# KiCad board FPGA_dev_board.kicad_pcb (continued)
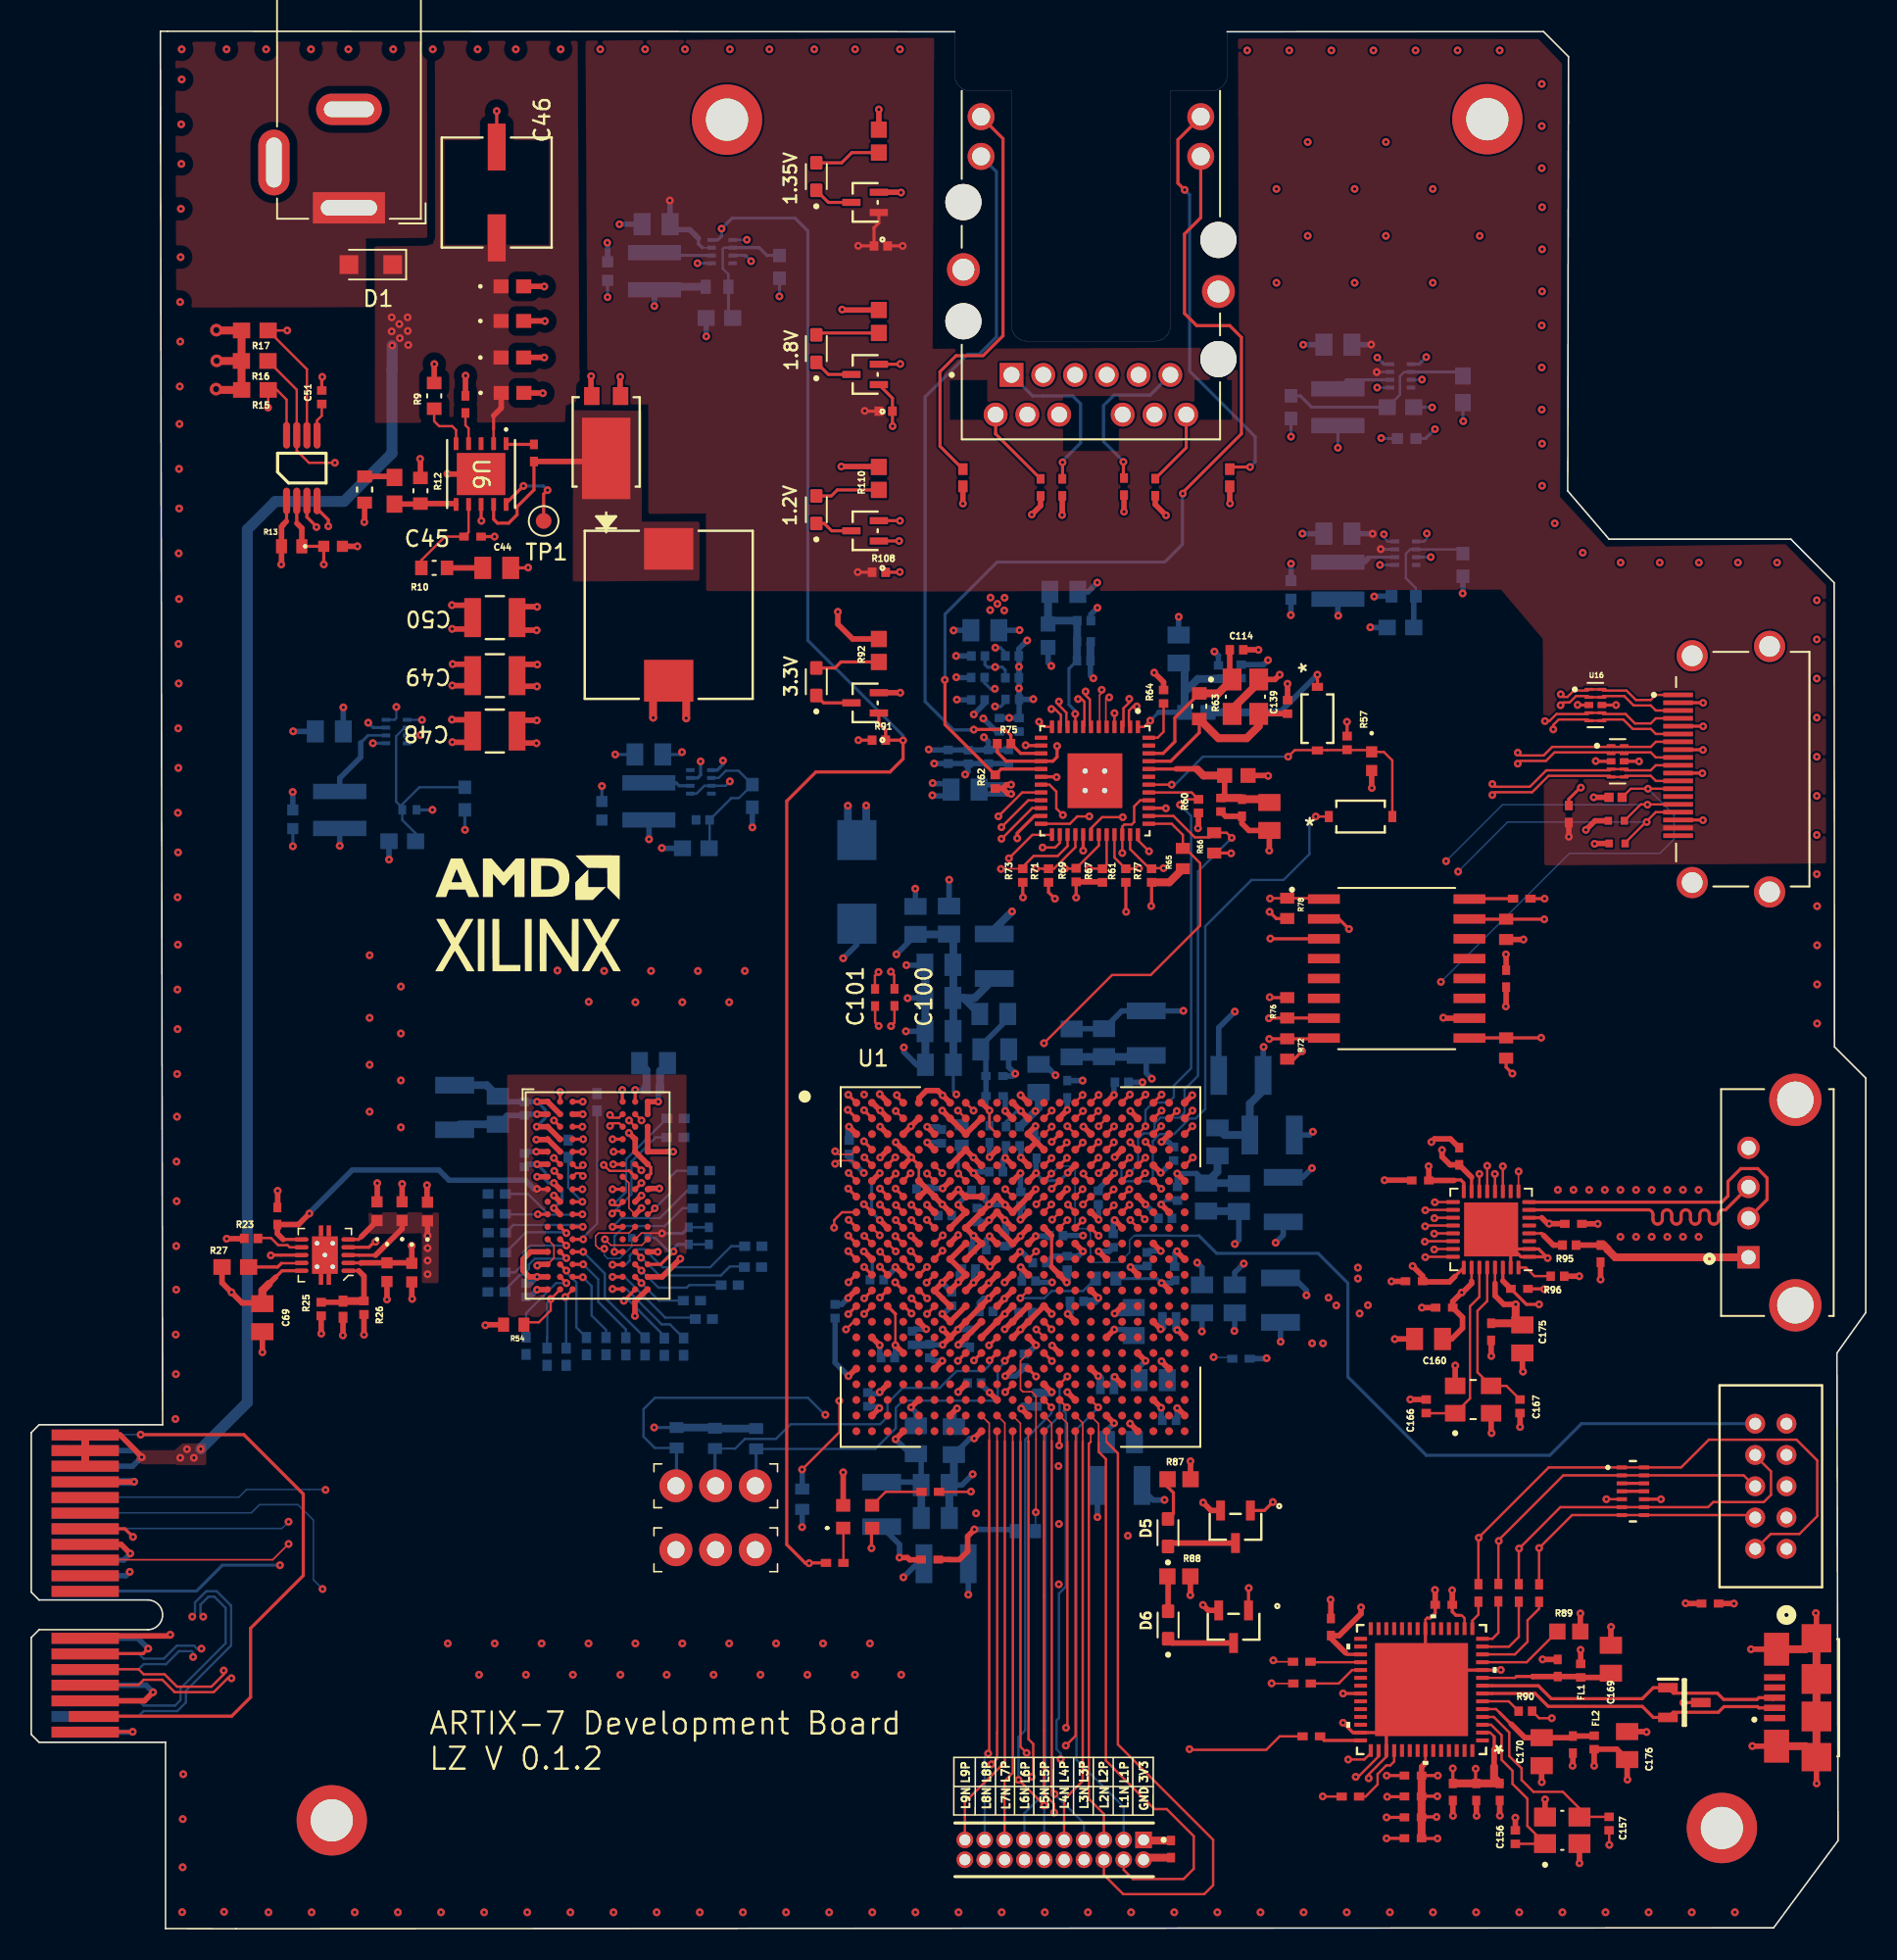
[diagram p0: board, top side]
## Placement (name value [footprint] x y rotation side) (continued)
U6  TPS54561DPRR  [WSON10_DPR_TEX]  28.77 93.01 270 top
U7  TPS62823DLCT  [DLC0008A]  23.36 76.55 180 bottom
U8  TPS62823DLCT  [DLC0008A]  87.57 99.28 180 bottom
U9  AS4C256M16D3  [BGA-96_9.0x13.0mm_Layout2x3x16_P0.8mm]  36.22 46.88 0 top
U10  TPS51200DRCR  [VSON-10-1EP_3x3mm]  18.78 43.07 90 top
U11  KSZ9031RNXCA  [QFN50P700X700X90-49N]  68.03 73.4 270 top
U12  FT4232H-56Q-TRAY  [VQFN56_FTD]  88.92 15.29 180 top
U13  USB3300-EZK  [QFN-32-1EP_5x5mm_P0.5mm_EP3.45x3.45mm]  93.37 44.71 180 top
U14  SP3011-06UTG  [SON14_SP3011-06UTG_LTF]  102.44 27.97 0 top
U15  TPD4E05U06DQAR  [IC_TPD4E05U06DQAR]  101.46 74.64 0 top
U16  TPD4E05U06DQAR  [IC_TPD4E05U06DQAR]  100.04 78.24 0 top
Y1  ABM8G-27.000MHZ-18-D2Y-T  [XTAL_ABM8G-27.000MHZ-18-D2Y-T]  77.66 78.78 0 top
Y2  ABM8G-12.000MHZ-18-D2Y-T  [XTAL_ABM8G-12.000MHZ-18-D2Y-T]  97.92 6.29 90 top
Y3  ABM8-24.000MHZ-B2-T  [XTAL_ABM8-24.000MHZ-B2-T]  92.22 33.84 90 top
Y4  ECS-2520MV-130-BN-TR  [ECS2520MV130BNTR]  52.86 26.34 0 top

## Library data of the parts
C1-C45 C47-C70 C72-C193 = -: Description: Unpolarized capacitor
C46 = -: Description: Polarized capacitor
D1 = -: Description: 30V, 2A low Vf MEGA Schottky barrier rectifier, SOD-123W
D2 D5-D9 = -: MANUFACTURER: Avago Technologies; MAXIMUM_PACKAGE_HEIGHT: 0.7 mm; PARTREV: N/A; STANDARD: IPC 7351B
D3 D4 = -: Description: 100V 0.15A standard switching diode, DO-35; Sim.Device: D; Sim.Pins: 1=K 2=A
FB1-FB3 = -: Description: FERRITE BEAD 120 OHM 0603 1LN; Category: Filters; DK_Datasheet_Link: https://www.murata.com/en-us/products/productdata/8796738650142/ENFA0003.pdf; DK_Detail_Page: /product-detail/en/murata-electronics-north-america/BLM18PG121SN1D/490-1037-1-ND/584485; Digi-Key_PN: 490-1037-1-ND; Family: Ferrite Beads and Chips; Manufacturer: Murata Electronics North America; Status: Active
FL1 FL2 = -: Description: 600 Ohms @ 100 MHz 1 - Ferrite Bead 0402 (1005 Metric) 300mA 520mOhm; Availability: In Stock; Check_prices: https://www.snapeda.com/parts/BLM15AG601SN1D/Murata/view-part/?ref=eda; MF: Murata; Package: 1005 Taiyo Yuden; Price: None; Purchase-URL: https://www.snapeda.com/api/url_track_click_mouser/?unipart_id=12274&manufacturer=Murata&part_name=BLM15AG601SN1D&search_term=None; SnapEDA_Link: https://www.snapeda.com/parts/BLM15AG601SN1D/Murata/view-part/?ref=snap
IC1 = -: Description: NOR Flash Serial-SPI 3V/3.3V 512M-bit 64M/32M/16M x 1/2-bit/4-bit 6ns Automotive 16-Pin SOP-II; Height: 2.65; Manufacturer_Name: Micron; Mouser Part Number: 340-285789-TRAY; Mouser Price/Stock: https://www.mouser.co.uk/ProductDetail/Micron/MT25QL512ABB8ESF-0AAT?qs=rrS6PyfT74da2PZ8DoLIJg%3D%3D
IC2 = -: Description: 2-Channel ESD Protection Array for High-Speed Data Interfaces; Height: 1.12; Manufacturer_Name: Texas Instruments; Mouser Part Number: 595-TPD2E009DBZR; Mouser Price/Stock: https://www.mouser.co.uk/ProductDetail/Texas-Instruments/TPD2E009DBZR?qs=XGzIaZb%2FFYIsL3UFh35JpQ%3D%3D
J1 = -: Description: Power Barrel Connector Jack 2.05mm ID (0.081), 5.50mm OD (0.217) Through Hole, Right Angle; Availability: In Stock; Check_prices: https://www.snapeda.com/parts/DCJ200-10-A-K1-K/Global+Connector+Technology/view-part/?ref=eda; MANUFACTURER: Global Connector Technology; MAXIMUM_PACKAGE_HEIGHT: 11 mm; MF: Global Connector Technology; MP: DCJ200-10-A-K1-K; PARTREV: A; Package: None; Price: None; SNAPEDA_PN: DCJ200-10-A-K1-K; STANDARD: Manufacturer Recommendations; SnapEDA_Link: https://www.snapeda.com/parts/DCJ200-10-A-K1-K/Global+Connector+Technology/view-part/?ref=snap
J2 = -: Description: PCI Express bus connector x1
J3 = -: Description: MagJack 1000BASE-T | 1X1 | G/G | Tab Down | Low Profile | RoHS; AVAILABILITY: Unavailable; Availability: In Stock; Check_prices: https://www.snapeda.com/parts/L834-1G1T-S7/Bel+Magnetic+Solutions/view-part/?ref=eda; DESCRIPTION: 1 Port RJ45 Magjack Connector Through Hole 10/100/1000 Base-T, AutoMDIX; DIGIKEY-PURCHASE-URL: https://snapeda.com/shop?store=DigiKey&id=4797102; MF: Bel Magnetic Solutions; PACKAGE: None; PRICE: None; Package: None; Price: None; Purchase-URL: https://www.snapeda.com/api/url_track_click_mouser/?unipart_id=104768&manufacturer=Bel Magnetic Solutions&part_name=L834-1G1T-S7&search_term=None; SnapEDA_Link: https://www.snapeda.com/parts/L834-1G1T-S7/Bel+Magnetic+Solutions/view-part/?ref=snap
J4 = -: MANUFACTURER: Amphenol; MAXIMUM_PACKAGE_HEIGHT: 2.8mm; PARTREV: B; STANDARD: Manufacturer Recommendations
J5 = -: MANUFACTURER: On Shore Technology; PARTREV: D; STANDARD: Manufacturer Recommendation
J7 = -: MANUFACTURER: Amphenol; MAXIMUM_PACKAGE_HEIGHT: 6.18mm; PARTREV: Y; STANDARD: Manufacturer Recommendations
J8 = -: Description: Connector Board Stacker Header 20 Position 2.54mm Stack Height 1.27mm Solder Straight Through Hole; Availability: In Stock; Check_prices: https://www.snapeda.com/parts/FW-10-04-G-D-100-065/Samtec/view-part/?ref=eda; MANUFACTURER: Samtec; MF: Samtec; PARTREV: R; Package: None; Price: None; STANDARD: Manufacturer Recommendations; SnapEDA_Link: https://www.snapeda.com/parts/FW-10-04-G-D-100-065/Samtec/view-part/?ref=snap
J9 J10 = -: Description: CONN HEADER VERT 3POS 2.54MM; Category: Connectors, Interconnects; DK_Datasheet_Link: https://www.te.com/commerce/DocumentDelivery/DDEController?Action=srchrtrv&DocNm=640456&DocType=Customer+Drawing&DocLang=English; DK_Detail_Page: /product-detail/en/te-connectivity-amp-connectors/640456-3/A19470-ND/259010; Digi-Key_PN: A19470-ND; Family: Rectangular Connectors - Headers, Male Pins; Manufacturer: TE Connectivity AMP Connectors; Status: Active
L1-L3 L5 L6 = -: Description: Inductor
R1-R6 R8-R20 R22-R53 R57-R86 R89 R90 R93-R107 = -: Description: Resistor
R7 R21 R91 R108 = -: Description: 10k resistor in 0402 package with 1% tolerance; Author: Antmicro; License: Apache-2.0; MPN: CR0402-FX-1002GLF; Manufacturer: Bourns; Tolerance: 1%; Val: 10k
R54 = -: Description: 4k7 resistor in 0402 package with 1% tolerance; Author: Antmicro; License: Apache-2.0; MPN: CR0402-FX-4701GLF; Manufacturer: Bourns; Tolerance: 1%; Val: 4k7
R87 R88 R92 R110 R112 R113 = -: Description: 1k resistor in 0402 package with 1% tolerance; Author: Antmicro; License: Apache-2.0; MPN: CR0402-FX-1001GLF; Manufacturer: Bourns; Tolerance: 1%; Val: 1k
TP1 = -: Description: test point
U1 = -: Description: Artix 7 T 100 XC7A100T-FGG484
U9 = -: Description: 4Gb (256Mx16 bit) Double Data Rate 3 Synchronous DRAM
U10 = -: Description: IC REG CONV DDR 1OUT 10VSON; Category: Integrated Circuits (ICs); DK_Datasheet_Link: http://www.ti.com/general/docs/suppproductinfo.tsp?distId=10&gotoUrl=http%3A%2F%2Fwww.ti.com%2Flit%2Fgpn%2Ftps51200; DK_Detail_Page: /product-detail/en/texas-instruments/TPS51200DRCR/296-26978-1-ND/2255274; Digi-Key_PN: 296-26978-1-ND; Family: PMIC - Voltage Regulators - Special Purpose; Manufacturer: Texas Instruments; Status: Active; Field12: REF**
U11 = -: Description: 4/4 Transceiver Full Ethernet 48-QFN (7x7); Arrow_Electronics-Purchase-URL: https://snapeda.com/shop?store=Arrow+Electronics&id=1217103; Availability: In Stock; Check_prices: https://www.snapeda.com/parts/KSZ9031RNXCA/Microchip/view-part/?ref=eda; DigiKey-Purchase-URL: https://snapeda.com/shop?store=DigiKey&id=1217103; MF: Microchip; Mouser-Purchase-URL: https://snapeda.com/shop?store=Mouser&id=1217103; Package: QFN-48 Microchip; Price: None; Purchase-URL: https://www.snapeda.com/api/url_track_click_mouser/?unipart_id=289971&manufacturer=Microchip&part_name=KSZ9031RNXCA&search_term=None; SnapEDA_Link: https://www.snapeda.com/parts/KSZ9031RNXCA/Microchip/view-part/?ref=snap
U13 = -: Description: Hi-Speed USB Host, Device or OTG PHY with ULPI Interface
U15 U16 = -: Description: Quad 0.5-pF, 5.5-V, ±12-kV ESD protection diode for USB, HDMI & High Speed Interfaces; Availability: In Stock; Check_prices: https://www.snapeda.com/parts/TPD4E05U06DQAR/Texas+Instruments/view-part/?ref=eda; MANUFACTURER: Texas Instruments; MAXIMUM_PACKAGE_HEIGHT: 0.55 mm; MF: Texas Instruments; PARTREV: N; Package: USON-10 Texas Instruments; Price: None; Purchase-URL: https://www.snapeda.com/api/url_track_click_mouser/?unipart_id=431231&manufacturer=Texas Instruments&part_name=TPD4E05U06DQAR&search_term=None; STANDARD: Manufacturer Recommendations; SnapEDA_Link: https://www.snapeda.com/parts/TPD4E05U06DQAR/Texas+Instruments/view-part/?ref=snap
Y1 = -: Description: 27 MHz ±20ppm Crystal 18pF 60 Ohms 4-SMD, No Lead; Availability: In Stock; Check_prices: https://www.snapeda.com/parts/ABM8G-27.000MHZ-18-D2Y-T/Abracon+LLC/view-part/?ref=eda; MANUFACTURER: Abracon; MAXIMUM_PACKAGE_HEIGHT: 1.0 mm; MF: Abracon; PARTREV: 08.13.15; Package: SMD-4 Abracon; Price: None; STANDARD: Manufacturer Recommendations; SnapEDA_Link: https://www.snapeda.com/parts/ABM8G-27.000MHZ-18-D2Y-T/Abracon+LLC/view-part/?ref=snap
Y2 = -: Description: 12 MHz ±20ppm Crystal 18pF 120 Ohms 4-SMD, No Lead; Availability: In Stock; Check_prices: https://www.snapeda.com/parts/ABM8G-12.000MHZ-18-D2Y-T/Abracon+LLC/view-part/?ref=eda; MANUFACTURER: Abracon; MAXIMUM_PACKAGE_HEIGHT: 1.0 mm; MF: Abracon; PARTREV: 08.13.15; Package: SMD-4 Abracon; Price: None; Purchase-URL: https://www.snapeda.com/api/url_track_click_mouser/?unipart_id=419259&manufacturer=Abracon&part_name=ABM8G-12.000MHZ-18-D2Y-T&search_term=None; STANDARD: Manufacturer Recommendations; SnapEDA_Link: https://www.snapeda.com/parts/ABM8G-12.000MHZ-18-D2Y-T/Abracon+LLC/view-part/?ref=snap
Y3 = -: Description: 24 MHz ±20ppm Crystal 18pF 50 Ohms 4-SMD, No Lead; Availability: In Stock; Check_prices: https://www.snapeda.com/parts/ABM8-24.000MHZ-B2-T/Abracon+LLC/view-part/?ref=eda; MANUFACTURER: Abracon; MAXIMUM_PACKAGE_HEIGHT: 0.8 mm; MF: Abracon; PARTREV: 44041; Package: NON-STANDARD-4 ABRACON; Price: None; Purchase-URL: https://www.snapeda.com/api/url_track_click_mouser/?unipart_id=386743&manufacturer=Abracon&part_name=ABM8-24.000MHZ-B2-T&search_term=None; STANDARD: Manufacturer Recommendations; SnapEDA_Link: https://www.snapeda.com/parts/ABM8-24.000MHZ-B2-T/Abracon+LLC/view-part/?ref=snap
Y4 = -: Description: Standard Clock Oscillators XO (Standard),13MHz,Standby (Power Down),CMOS, Multi-Volt,1.6 V 3.6 V,+/-50ppm,-40 C 85 C,6mA,Surface Mount,4-SMD, No Lead,(2.50mm x 2.00mm),(0.80mm); Height: 0.9; Manufacturer_Name: ECS; Mouser Part Number: 520-S2520MV130BNTR; Mouser Price/Stock: https://www.mouser.co.uk/ProductDetail/ECS/ECS-2520MV-130-BN-TR?qs=zW32dvEIR3txl7djIFQDkw%3D%3D

## Footprints (pads in the part's own frame, mm; a bottom-side part is the same pattern mirrored in y, then rotated)
0603
  rect 1.1x1 smd: 1(-0.85,0) 2(0.85,0)
87831-1020_MOL
  round 1.27 hole 0.762: 1(0,0) 2(2,0) 3(4,0) 4(6,0) 5(8,0) 6(0,2) 7(2,2) 8(4,2) 9(6,2) 10(8,2)
AMPHENOL_10029449-111RLF
  rect 0.3x1.9 smd: 1(4.75,5.85) 2(4.25,5.85) 3(3.75,5.85) 4(3.25,5.85) 5(2.75,5.85) 6(2.25,5.85) 7(1.75,5.85) 8(1.25,5.85) 9(0.75,5.85) 10(0.25,5.85) 11(-0.25,5.85) 12(-0.75,5.85) 13(-1.25,5.85) 14(-1.75,5.85) 15(-2.25,5.85) 16(-2.75,5.85) 17(-3.25,5.85) 18(-3.75,5.85) 19(-4.25,5.85)
  round 1.995 hole 1.33: S1(-7.25,4.95) S2(7.25,4.95) S3(-7.85,0) S4(7.85,0)
AMPHENOL_10118192-0002LF
  rect 0.4x1.35 smd: 1(-1.3,0) 2(-0.65,0) 3(0,0) 4(0.65,0) 5(1.3,0)
  rect 2.1x1.6 smd: S1(-3.1,-0.125) S2(3.1,-0.125)
  rect 1.8x1.9 smd: S3(-3.8,-2.675) S6(3.8,-2.675)
  rect 1.9x1.9 smd: S4(-1.2,-2.675) S5(1.2,-2.675)
BarrelJack_GCT_DCJ200-10-A_Horizontal
  rect 4.6x2 hole 3.6x1: 1(0,0)
  oval 4.2x2 hole 3.2x1: 2(0,-6.3)
  oval 2x4.2 hole 1x3.2: 3(4.8,-2.9)
BEADC1005X55N
  rect 0.54x0.6 smd: 1(-0.432,0) 2(0.432,0)
BEL_L834-1G1T-S7
  round 2.31 hole 2.31 unplated: (-8.155,5.72) (-8.155,-1.9) (8.155,3.3) (8.155,-4.318)
  rect 1.53x1.53 hole 1.02: 1(5.08,6.73)
  round 1.53 hole 1.02: 2(3.048,6.73) 3(1.016,6.73) 4(-1.016,6.73) 5(-3.048,6.73) 6(-5.08,6.73) 7(6.096,9.27) 8(4.064,9.27) 9(2.032,9.27) 10(-2.032,9.27) 11(-4.064,9.27) 12(-6.096,9.27)
  round 1.725 hole 1.15: 13(7.025,-7.24) 14(7.025,-9.78) 15(-7.025,-7.24) 16(-7.025,-9.78)
  round 2.1 hole 1.4: S1(-8.155,1.4) S2(8.155,0)
BGA484C100P22X22_2300X2300X260N
  round 0.5 smd: A1(-10.5,10.5) A2(-9.5,10.5) A3(-8.5,10.5) A4(-7.5,10.5) A5(-6.5,10.5) A6(-5.5,10.5) A7(-4.5,10.5) A8(-3.5,10.5) A9(-2.5,10.5) A10(-1.5,10.5) A11(-0.5,10.5) A12(0.5,10.5) A13(1.5,10.5) A14(2.5,10.5) A15(3.5,10.5) A16(4.5,10.5) A17(5.5,10.5) A18(6.5,10.5) A19(7.5,10.5) A20(8.5,10.5) A21(9.5,10.5) A22(10.5,10.5) AA1(-10.5,-9.5) AA2(-9.5,-9.5) AA3(-8.5,-9.5) AA4(-7.5,-9.5) AA5(-6.5,-9.5) AA6(-5.5,-9.5) AA7(-4.5,-9.5) AA8(-3.5,-9.5) AA9(-2.5,-9.5) AA10(-1.5,-9.5) AA11(-0.5,-9.5) AA12(0.5,-9.5) AA13(1.5,-9.5) AA14(2.5,-9.5) AA15(3.5,-9.5) AA16(4.5,-9.5) AA17(5.5,-9.5) AA18(6.5,-9.5) AA19(7.5,-9.5) AA20(8.5,-9.5) AA21(9.5,-9.5) AA22(10.5,-9.5) AB1(-10.5,-10.5) AB2(-9.5,-10.5) AB3(-8.5,-10.5) AB4(-7.5,-10.5) AB5(-6.5,-10.5) AB6(-5.5,-10.5) AB7(-4.5,-10.5) AB8(-3.5,-10.5) AB9(-2.5,-10.5) AB10(-1.5,-10.5) AB11(-0.5,-10.5) AB12(0.5,-10.5) AB13(1.5,-10.5) AB14(2.5,-10.5) AB15(3.5,-10.5) AB16(4.5,-10.5) AB17(5.5,-10.5) AB18(6.5,-10.5) AB19(7.5,-10.5) AB20(8.5,-10.5) AB21(9.5,-10.5) AB22(10.5,-10.5) B1(-10.5,9.5) B2(-9.5,9.5) B3(-8.5,9.5) B4(-7.5,9.5) B5(-6.5,9.5) B6(-5.5,9.5) B7(-4.5,9.5) B8(-3.5,9.5) B9(-2.5,9.5) B10(-1.5,9.5) B11(-0.5,9.5) B12(0.5,9.5) B13(1.5,9.5) B14(2.5,9.5) B15(3.5,9.5) B16(4.5,9.5) B17(5.5,9.5) B18(6.5,9.5) B19(7.5,9.5) B20(8.5,9.5) B21(9.5,9.5) B22(10.5,9.5) C1(-10.5,8.5) C2(-9.5,8.5) C3(-8.5,8.5) C4(-7.5,8.5) C5(-6.5,8.5) C6(-5.5,8.5) C7(-4.5,8.5) C8(-3.5,8.5) C9(-2.5,8.5) C10(-1.5,8.5) C11(-0.5,8.5) C12(0.5,8.5) C13(1.5,8.5) C14(2.5,8.5) C15(3.5,8.5) C16(4.5,8.5) C17(5.5,8.5) C18(6.5,8.5) C19(7.5,8.5) C20(8.5,8.5) C21(9.5,8.5) C22(10.5,8.5) D1(-10.5,7.5) D2(-9.5,7.5) D3(-8.5,7.5) D4(-7.5,7.5) D5(-6.5,7.5) D6(-5.5,7.5) D7(-4.5,7.5) D8(-3.5,7.5) D9(-2.5,7.5) D10(-1.5,7.5) D11(-0.5,7.5) D12(0.5,7.5) D13(1.5,7.5) D14(2.5,7.5) D15(3.5,7.5) D16(4.5,7.5) D17(5.5,7.5) D18(6.5,7.5) D19(7.5,7.5) D20(8.5,7.5) D21(9.5,7.5) D22(10.5,7.5) E1(-10.5,6.5) E2(-9.5,6.5) E3(-8.5,6.5) E4(-7.5,6.5) E5(-6.5,6.5) E6(-5.5,6.5) E7(-4.5,6.5) E8(-3.5,6.5) E9(-2.5,6.5) E10(-1.5,6.5) E11(-0.5,6.5) E12(0.5,6.5) E13(1.5,6.5) E14(2.5,6.5) E15(3.5,6.5) E16(4.5,6.5) E17(5.5,6.5) E18(6.5,6.5) E19(7.5,6.5) E20(8.5,6.5) E21(9.5,6.5) E22(10.5,6.5) F1(-10.5,5.5) F2(-9.5,5.5) F3(-8.5,5.5) F4(-7.5,5.5) F5(-6.5,5.5) F6(-5.5,5.5) F7(-4.5,5.5) F8(-3.5,5.5) F9(-2.5,5.5) F10(-1.5,5.5) F11(-0.5,5.5) F12(0.5,5.5) F13(1.5,5.5) F14(2.5,5.5) F15(3.5,5.5) F16(4.5,5.5) F17(5.5,5.5) F18(6.5,5.5) F19(7.5,5.5) F20(8.5,5.5) F21(9.5,5.5) F22(10.5,5.5) G1(-10.5,4.5) G2(-9.5,4.5) G3(-8.5,4.5) G4(-7.5,4.5) G5(-6.5,4.5) G6(-5.5,4.5) G7(-4.5,4.5) G8(-3.5,4.5) G9(-2.5,4.5) G10(-1.5,4.5) G11(-0.5,4.5) G12(0.5,4.5) G13(1.5,4.5) G14(2.5,4.5) G15(3.5,4.5) G16(4.5,4.5) G17(5.5,4.5) G18(6.5,4.5) G19(7.5,4.5) G20(8.5,4.5) G21(9.5,4.5) G22(10.5,4.5) H1(-10.5,3.5) H2(-9.5,3.5) H3(-8.5,3.5) H4(-7.5,3.5) H5(-6.5,3.5) H6(-5.5,3.5) H7(-4.5,3.5) H8(-3.5,3.5) H9(-2.5,3.5) H10(-1.5,3.5) H11(-0.5,3.5) H12(0.5,3.5) H13(1.5,3.5) H14(2.5,3.5) H15(3.5,3.5) H16(4.5,3.5) H17(5.5,3.5) H18(6.5,3.5) H19(7.5,3.5) H20(8.5,3.5) H21(9.5,3.5) H22(10.5,3.5) J1(-10.5,2.5) J2(-9.5,2.5) J3(-8.5,2.5) J4(-7.5,2.5) J5(-6.5,2.5) J6(-5.5,2.5) J7(-4.5,2.5) J8(-3.5,2.5) J9(-2.5,2.5) J10(-1.5,2.5) J11(-0.5,2.5) J12(0.5,2.5) J13(1.5,2.5) J14(2.5,2.5) J15(3.5,2.5) J16(4.5,2.5) J17(5.5,2.5) J18(6.5,2.5) J19(7.5,2.5) J20(8.5,2.5) J21(9.5,2.5) J22(10.5,2.5) K1(-10.5,1.5) K2(-9.5,1.5) K3(-8.5,1.5) K4(-7.5,1.5) K5(-6.5,1.5) K6(-5.5,1.5) K7(-4.5,1.5) K8(-3.5,1.5) K9(-2.5,1.5) K10(-1.5,1.5) K11(-0.5,1.5) K12(0.5,1.5) K13(1.5,1.5) K14(2.5,1.5) K15(3.5,1.5) K16(4.5,1.5) K17(5.5,1.5) K18(6.5,1.5) K19(7.5,1.5) K20(8.5,1.5) K21(9.5,1.5) K22(10.5,1.5) L1(-10.5,0.5) L2(-9.5,0.5) L3(-8.5,0.5) L4(-7.5,0.5) L5(-6.5,0.5) L6(-5.5,0.5) L7(-4.5,0.5) L8(-3.5,0.5) L9(-2.5,0.5) L10(-1.5,0.5) L11(-0.5,0.5) L12(0.5,0.5) L13(1.5,0.5) L14(2.5,0.5) L15(3.5,0.5) L16(4.5,0.5) L17(5.5,0.5) L18(6.5,0.5) L19(7.5,0.5) L20(8.5,0.5) L21(9.5,0.5) L22(10.5,0.5) M1(-10.5,-0.5) M2(-9.5,-0.5) M3(-8.5,-0.5) M4(-7.5,-0.5) M5(-6.5,-0.5) M6(-5.5,-0.5) M7(-4.5,-0.5) M8(-3.5,-0.5) M9(-2.5,-0.5) M10(-1.5,-0.5) M11(-0.5,-0.5) M12(0.5,-0.5) M13(1.5,-0.5) M14(2.5,-0.5) M15(3.5,-0.5) M16(4.5,-0.5) M17(5.5,-0.5) M18(6.5,-0.5) M19(7.5,-0.5) M20(8.5,-0.5) M21(9.5,-0.5) M22(10.5,-0.5) N1(-10.5,-1.5) N2(-9.5,-1.5) N3(-8.5,-1.5) N4(-7.5,-1.5) N5(-6.5,-1.5) N6(-5.5,-1.5) N7(-4.5,-1.5) N8(-3.5,-1.5) N9(-2.5,-1.5) N10(-1.5,-1.5) N11(-0.5,-1.5) N12(0.5,-1.5) N13(1.5,-1.5) N14(2.5,-1.5) N15(3.5,-1.5) N16(4.5,-1.5) N17(5.5,-1.5) N18(6.5,-1.5) N19(7.5,-1.5) N20(8.5,-1.5) N21(9.5,-1.5) N22(10.5,-1.5) P1(-10.5,-2.5) P2(-9.5,-2.5) P3(-8.5,-2.5) P4(-7.5,-2.5) P5(-6.5,-2.5) P6(-5.5,-2.5) P7(-4.5,-2.5) P8(-3.5,-2.5) P9(-2.5,-2.5) P10(-1.5,-2.5) P11(-0.5,-2.5) P12(0.5,-2.5) P13(1.5,-2.5) P14(2.5,-2.5) P15(3.5,-2.5) P16(4.5,-2.5) P17(5.5,-2.5) P18(6.5,-2.5) P19(7.5,-2.5) P20(8.5,-2.5) P21(9.5,-2.5) P22(10.5,-2.5) R1(-10.5,-3.5) R2(-9.5,-3.5) R3(-8.5,-3.5) R4(-7.5,-3.5) R5(-6.5,-3.5) R6(-5.5,-3.5) R7(-4.5,-3.5) R8(-3.5,-3.5) R9(-2.5,-3.5) R10(-1.5,-3.5) R11(-0.5,-3.5) R12(0.5,-3.5) R13(1.5,-3.5) R14(2.5,-3.5) R15(3.5,-3.5) R16(4.5,-3.5) R17(5.5,-3.5) R18(6.5,-3.5) R19(7.5,-3.5) R20(8.5,-3.5) R21(9.5,-3.5) R22(10.5,-3.5) T1(-10.5,-4.5) T2(-9.5,-4.5) T3(-8.5,-4.5) T4(-7.5,-4.5) T5(-6.5,-4.5) T6(-5.5,-4.5) T7(-4.5,-4.5) T8(-3.5,-4.5) T9(-2.5,-4.5) T10(-1.5,-4.5) T11(-0.5,-4.5) T12(0.5,-4.5) T13(1.5,-4.5) T14(2.5,-4.5) T15(3.5,-4.5) T16(4.5,-4.5) T17(5.5,-4.5) T18(6.5,-4.5) T19(7.5,-4.5) T20(8.5,-4.5) T21(9.5,-4.5) T22(10.5,-4.5) U1(-10.5,-5.5) U2(-9.5,-5.5) U3(-8.5,-5.5) U4(-7.5,-5.5) U5(-6.5,-5.5) U6(-5.5,-5.5) U7(-4.5,-5.5) U8(-3.5,-5.5) U9(-2.5,-5.5) U10(-1.5,-5.5) U11(-0.5,-5.5) U12(0.5,-5.5) U13(1.5,-5.5) U14(2.5,-5.5) U15(3.5,-5.5) U16(4.5,-5.5) U17(5.5,-5.5) U18(6.5,-5.5) U19(7.5,-5.5) U20(8.5,-5.5) U21(9.5,-5.5) U22(10.5,-5.5) V1(-10.5,-6.5) V2(-9.5,-6.5) V3(-8.5,-6.5) V4(-7.5,-6.5) V5(-6.5,-6.5) V6(-5.5,-6.5) V7(-4.5,-6.5) V8(-3.5,-6.5) V9(-2.5,-6.5) V10(-1.5,-6.5) V11(-0.5,-6.5) V12(0.5,-6.5) V13(1.5,-6.5) V14(2.5,-6.5) V15(3.5,-6.5) V16(4.5,-6.5) V17(5.5,-6.5) V18(6.5,-6.5) V19(7.5,-6.5) V20(8.5,-6.5) V21(9.5,-6.5) V22(10.5,-6.5) W1(-10.5,-7.5) W2(-9.5,-7.5) W3(-8.5,-7.5) W4(-7.5,-7.5) W5(-6.5,-7.5) W6(-5.5,-7.5) W7(-4.5,-7.5) W8(-3.5,-7.5) W9(-2.5,-7.5) W10(-1.5,-7.5) W11(-0.5,-7.5) W12(0.5,-7.5) W13(1.5,-7.5) W14(2.5,-7.5) W15(3.5,-7.5) W16(4.5,-7.5) W17(5.5,-7.5) W18(6.5,-7.5) W19(7.5,-7.5) W20(8.5,-7.5) W21(9.5,-7.5) W22(10.5,-7.5) Y1(-10.5,-8.5) Y2(-9.5,-8.5) Y3(-8.5,-8.5) Y4(-7.5,-8.5) Y5(-6.5,-8.5) Y6(-5.5,-8.5) Y7(-4.5,-8.5) Y8(-3.5,-8.5) Y9(-2.5,-8.5) Y10(-1.5,-8.5) Y11(-0.5,-8.5) Y12(0.5,-8.5) Y13(1.5,-8.5) Y14(2.5,-8.5) Y15(3.5,-8.5) Y16(4.5,-8.5) Y17(5.5,-8.5) Y18(6.5,-8.5) Y19(7.5,-8.5) Y20(8.5,-8.5) Y21(9.5,-8.5) Y22(10.5,-8.5)
BGA-96_9.0x13.0mm_Layout2x3x16_P0.8mm
  round 0.4 smd: A1(-3.2,6) A2(-2.4,6) A3(-1.6,6) A7(1.6,6) A8(2.4,6) A9(3.2,6) B1(-3.2,5.2) B2(-2.4,5.2) B3(-1.6,5.2) B7(1.6,5.2) B8(2.4,5.2) B9(3.2,5.2) C1(-3.2,4.4) C2(-2.4,4.4) C3(-1.6,4.4) C7(1.6,4.4) C8(2.4,4.4) C9(3.2,4.4) D1(-3.2,3.6) D2(-2.4,3.6) D3(-1.6,3.6) D7(1.6,3.6) D8(2.4,3.6) D9(3.2,3.6) E1(-3.2,2.8) E2(-2.4,2.8) E3(-1.6,2.8) E7(1.6,2.8) E8(2.4,2.8) E9(3.2,2.8) F1(-3.2,2) F2(-2.4,2) F3(-1.6,2) F7(1.6,2) F8(2.4,2) F9(3.2,2) G1(-3.2,1.2) G2(-2.4,1.2) G3(-1.6,1.2) G7(1.6,1.2) G8(2.4,1.2) G9(3.2,1.2) H1(-3.2,0.4) H2(-2.4,0.4) H3(-1.6,0.4) H7(1.6,0.4) H8(2.4,0.4) H9(3.2,0.4) J1(-3.2,-0.4) J2(-2.4,-0.4) J3(-1.6,-0.4) J7(1.6,-0.4) J8(2.4,-0.4) J9(3.2,-0.4) K1(-3.2,-1.2) K2(-2.4,-1.2) K3(-1.6,-1.2) K7(1.6,-1.2) K8(2.4,-1.2) K9(3.2,-1.2) L1(-3.2,-2) L2(-2.4,-2) L3(-1.6,-2) L7(1.6,-2) L8(2.4,-2) L9(3.2,-2) M1(-3.2,-2.8) M2(-2.4,-2.8) M3(-1.6,-2.8) M7(1.6,-2.8) M8(2.4,-2.8) M9(3.2,-2.8) N1(-3.2,-3.6) N2(-2.4,-3.6) N3(-1.6,-3.6) N7(1.6,-3.6) N8(2.4,-3.6) N9(3.2,-3.6) P1(-3.2,-4.4) P2(-2.4,-4.4) P3(-1.6,-4.4) P7(1.6,-4.4) P8(2.4,-4.4) P9(3.2,-4.4) R1(-3.2,-5.2) R2(-2.4,-5.2) R3(-1.6,-5.2) R7(1.6,-5.2) R8(2.4,-5.2) R9(3.2,-5.2) T1(-3.2,-6) T2(-2.4,-6) T3(-1.6,-6) T7(1.6,-6) T8(2.4,-6) T9(3.2,-6)
BUS_PCIexpress_x1
  rect 0.7x3.2 smd far side: A1(0,0.55)
  rect 0.7x4.3 smd far side: A2(1,0) A3(2,0) A4(3,0) A5(4,0) A6(5,0) A7(6,0) A8(7,0) A9(8,0) A10(9,0) A11(10,0) A12(13,0) A13(14,0) A14(15,0) A15(16,0) A16(17,0) A17(18,0) A18(19,0)
  rect 0.7x4.3 smd: B1(0,0) B2(1,0) B3(2,0) B4(3,0) B5(4,0) B6(5,0) B7(6,0) B8(7,0) B9(8,0) B10(9,0) B11(10,0) B12(13,0) B13(14,0) B14(15,0) B15(16,0) B16(17,0) B18(19,0)
  rect 0.7x3.2 smd: B17(18,0.55)
CAP_6.3 X 5.8_PAN
  rect 2.997x1.143 smd: 1(-2.908,0) 2(2.908,0)
CAP_GRM155R60J106ME05D_MUR
  rect 0.711x0.711 smd: 1(-0.597,0) 2(0.597,0)
CAP_GRM_155_MUR
  rect 0.711x0.559 smd: 1(-0.521,0) 2(0.521,0)
cap_UMK107ABJ474KA-T_TAY
  rect 0.965x0.889 smd: 1(-0.724,0) 2(0.724,0)
CAPC1005X55N
  rect 0.54x0.6 smd: 1(-0.432,0) 2(0.432,0)
CAPC2012X140N
  rect 1.08x1.42 smd: 1(-0.895,0) 2(0.895,0)
CAPMP7.6X4.3_1.9N_KEM
  rect 2.56x2.5 smd: 1(-2.672,0) 2(2.672,0)
DGK0008A_N
  oval 1.7x0.45 smd: 1(-2.1,0.975) 2(-2.1,0.325) 3(-2.1,-0.325) 4(-2.1,-0.975) 5(2.1,-0.975) 6(2.1,-0.325) 7(2.1,0.325) 8(2.1,0.975)
DLC0008A
  rect 0.55x0.25 smd: 1(-0.675,0.75) 2(-0.675,0.25) 3(-0.675,-0.25) 4(-0.675,-0.75) 5(0.675,-0.75) 6(0.675,-0.25) 7(0.675,0.25) 8(0.675,0.75)
ECS2520MV130BNTR
  rect 0.9x0.8 smd: 1(-0.925,-0.725) 2(0.925,-0.725) 3(0.925,0.725) 4(-0.925,0.725)
G-32_MUR
  rect 1.067x2.489 smd: 1(-1.422,0) 2(1.422,0)
G-155_MUR
  rect 0.61x0.508 smd: 1(-0.546,0) 2(0.546,0)
G-188_MUR
  rect 0.864x0.813 smd: 1(-0.724,0) 2(0.724,0)
IC_TPD4E05U06DQAR
  rrect 0.565x0.2 smd: 1(-0.417,1) 2(-0.417,0.5) 4(-0.417,-0.5) 5(-0.417,-1) 6(0.417,-1) 7(0.417,-0.5) 9(0.417,0.5) 10(0.417,1)
  rrect 0.565x0.4 smd: 3(-0.417,0) 8(0.417,0)
IND_1064_WE-PDF_WRE
  rect 2.667x3.15 smd: 1(-4.216,0) 2(4.216,0)
IND_BLM18_0603_MUR
  rect 0.965x0.94 smd: 1(-0.749,0) 2(0.749,0)
LEDSC80X160X70-2N
  rrect 0.87x0.79 smd: A(0.88,0) C(-0.88,0)
MountingHole_2.7mm_M2.5_ISO7380_Pad
  round 4.5 hole 2.7: 1(0,0)
Nexperia_CFP3_SOD-123W
  rect 1.2x1.2 smd: 1(-1.4,0) 2(1.4,0)
ONSHORE_USB-A1VSB6
  rect 1.428x1.428 hole 0.92: 1(-3.5,3)
  round 1.428 hole 0.92: 2(-1,3) 3(1,3) 4(3.5,3)
  round 3.346 hole 2.33: S1(-6.57,0) S2(6.57,0)
PinHeader_1x3_P2.54_Drill1.1mm
  round 2.1 hole 1.1: 1(0,0) 2(2.54,0) 3(5.08,0)
POWERDI5_DIO
  rect 3.099x5.207 smd: 1(0,1.054)
  rect 0.991x1.143 smd: 2(-0.92,-2.934) 3(0.92,-2.934)
QFN50P700X700X90-49N
  rrect 0.81x0.27 smd: 1(-3.445,2.75) 2(-3.445,2.25) 3(-3.445,1.75) 4(-3.445,1.25) 5(-3.445,0.75) 6(-3.445,0.25) 7(-3.445,-0.25) 8(-3.445,-0.75) 9(-3.445,-1.25) 10(-3.445,-1.75) 11(-3.445,-2.25) 12(-3.445,-2.75) 25(3.445,-2.75) 26(3.445,-2.25) 27(3.445,-1.75) 28(3.445,-1.25) 29(3.445,-0.75) 30(3.445,-0.25) 31(3.445,0.25) 32(3.445,0.75) 33(3.445,1.25) 34(3.445,1.75) 35(3.445,2.25) 36(3.445,2.75)
  rrect 0.27x0.81 smd: 13(-2.75,-3.445) 14(-2.25,-3.445) 15(-1.75,-3.445) 16(-1.25,-3.445) 17(-0.75,-3.445) 18(-0.25,-3.445) 19(0.25,-3.445) 20(0.75,-3.445) 21(1.25,-3.445) 22(1.75,-3.445) 23(2.25,-3.445) 24(2.75,-3.445) 37(2.75,3.445) 38(2.25,3.445) 39(1.75,3.445) 40(1.25,3.445) 41(0.75,3.445) 42(0.25,3.445) 43(-0.25,3.445) 44(-0.75,3.445) 45(-1.25,3.445) 46(-1.75,3.445) 47(-2.25,3.445) 48(-2.75,3.445)
  rect 3.5x3.5 smd: 49(0,0)
  round 0.55 hole 0.35: 50(-0.625,0.625) 51(0.625,0.625) 52(-0.625,-0.625) 53(0.625,-0.625)
QFN-32-1EP_5x5mm_P0.5mm_EP3.45x3.45mm
  rrect 0.93x0.93 smd: (-1.15,1.15) (-1.15,0) (-1.15,-1.15) (0,1.15) (0,0) (0,-1.15) (1.15,1.15) (1.15,0) (1.15,-1.15)
  rrect 0.875x0.25 smd: 1(-2.438,1.75) 2(-2.438,1.25) 3(-2.438,0.75) 4(-2.438,0.25) 5(-2.438,-0.25) 6(-2.438,-0.75) 7(-2.438,-1.25) 8(-2.438,-1.75) 17(2.438,-1.75) 18(2.438,-1.25) 19(2.438,-0.75) 20(2.438,-0.25) 21(2.438,0.25) 22(2.438,0.75) 23(2.438,1.25) 24(2.438,1.75)
  rrect 0.25x0.875 smd: 9(-1.75,-2.438) 10(-1.25,-2.438) 11(-0.75,-2.438) 12(-0.25,-2.438) 13(0.25,-2.438) 14(0.75,-2.438) 15(1.25,-2.438) 16(1.75,-2.438) 25(1.75,2.438) 26(1.25,2.438) 27(0.75,2.438) 28(0.25,2.438) 29(-0.25,2.438) 30(-0.75,2.438) 31(-1.25,2.438) 32(-1.75,2.438)
  rect 3.45x3.45 smd: 33(0,0)
RC0402N_YAG
  rect 0.66x0.508 smd: 1(-0.559,0) 2(0.559,0)
RC0603N_PAN
  rect 0.756x0.8 smd: 1(-0.778,0) 2(0.778,0)
RES_ERA2AEB241X
  rect 0.475x0.5 smd: 1(-0.512,0) 2(0.512,0)
RES_ERJ2RKF2201X
  rect 0.475x0.5 smd: 1(-0.512,0) 2(0.512,0)
RES_ERJ3EKF4533V
  rect 0.65x0.9 smd: 1(-0.725,0) 2(0.725,0)
RESC1005X35N
  rect 0.75x0.6 smd: 1(-0.55,0) 2(0.55,0)
RESC1005X35N#2
  rect 0.59x0.6 smd: 1(-0.42,0) 2(0.42,0)
RESC1005X35N#3
  rect 0.49x0.6 smd: 1(-0.457,0) 2(0.457,0)
RESC1005X40
  rect 0.7x0.9 smd: 1(-0.65,0) 2(0.65,0)
RESC1005X40N
  rect 0.54x0.6 smd: 1(-0.432,0) 2(0.432,0)
RESC1005X40N#2
  rect 0.7x0.6 smd: 1(-0.55,0) 2(0.55,0)
RESC1607X60N
  rect 1.04x1.02 smd: 1(-0.735,0) 2(0.735,0)
RESC1608X55
  rect 1.1x1 smd: 1(-0.85,0) 2(0.85,0)
RESC1608X55N
  rect 0.79x0.93 smd: 1(-0.82,0) 2(0.82,0)
RESC1608X60N
  rect 0.762x0.94 smd: 1(-0.838,0) 2(0.838,0)
SAMTEC_FW-10-04-G-D-100-065
  rect 1.06x1.06 hole 0.71: 01(-5.715,-0.635)
  round 1.06 hole 0.71: 02(-5.715,0.635) 03(-4.445,-0.635) 04(-4.445,0.635) 05(-3.175,-0.635) 06(-3.175,0.635) 07(-1.905,-0.635) 08(-1.905,0.635) 09(-0.635,-0.635) 10(-0.635,0.635) 11(0.635,-0.635) 12(0.635,0.635) 13(1.905,-0.635) 14(1.905,0.635) 15(3.175,-0.635) 16(3.175,0.635) 17(4.445,-0.635) 18(4.445,0.635) 19(5.715,-0.635) 20(5.715,0.635)
SC-70_SOT323_NEX
  rect 0.457x1.168 smd: 1(-0.65,-0.876) 2(0.65,-0.876) 3(0,0.876)
SOD123
  rect 0.508x0.711 smd: 1(-2.032,0) 2(2.032,0)
SOIC127P1032X265-16N
  rrect 2.04x0.6 smd: 1(-4.655,4.445) 2(-4.655,3.175) 3(-4.655,1.905) 4(-4.655,0.635) 5(-4.655,-0.635) 6(-4.655,-1.905) 7(-4.655,-3.175) 8(-4.655,-4.445) 9(4.655,-4.445) 10(4.655,-3.175) 11(4.655,-1.905) 12(4.655,-0.635) 13(4.655,0.635) 14(4.655,1.905) 15(4.655,3.175) 16(4.655,4.445)
SON14_SP3011-06UTG_LTF
  rect 0.66x0.254 smd: 1(-0.711,1.524) 2(-0.711,1.016) 3(-0.711,0.508) 4(-0.711,0) 5(-0.711,-0.508) 6(-0.711,-1.016) 7(-0.711,-1.524) 8(0.711,-1.524) 9(0.711,-1.016) 10(0.711,-0.508) 11(0.711,0) 12(0.711,0.508) 13(0.711,1.016) 14(0.711,1.524)
SOT95P237X112-3N
  rect 1.25x0.6 smd: 1(-1.05,0.95) 2(-1.05,-0.95) 3(1.05,0)
SOT-23TO-236_318-08_ONS
  rect 0.559x1.27 smd: 1(-0.953,-1.041) 2(0.953,-1.041) 3(0,1.041)
TestPoint_Pad_D1.5mm
  round 1 smd: 1(0,0)
unnamed
  round 4.5 hole 2.7: 1(0,0)
VQFN56_FTD
  rect 0.808x0.255 smd: 1(-3.897,3.25) 2(-3.897,2.75) 3(-3.897,2.25) 4(-3.897,1.75) 5(-3.897,1.25) 6(-3.897,0.75) 7(-3.897,0.25) 8(-3.897,-0.25) 9(-3.897,-0.75) 10(-3.897,-1.25) 11(-3.897,-1.75) 12(-3.897,-2.25) 13(-3.897,-2.75) 14(-3.897,-3.25) 29(3.897,-3.25) 30(3.897,-2.75) 31(3.897,-2.25) 32(3.897,-1.75) 33(3.897,-1.25) 34(3.897,-0.75) 35(3.897,-0.25) 36(3.897,0.25) 37(3.897,0.75) 38(3.897,1.25) 39(3.897,1.75) 40(3.897,2.25) 41(3.897,2.75) 42(3.897,3.25)
  rect 0.255x0.808 smd: 15(-3.25,-3.897) 16(-2.75,-3.897) 17(-2.25,-3.897) 18(-1.75,-3.897) 19(-1.25,-3.897) 20(-0.75,-3.897) 21(-0.25,-3.897) 22(0.25,-3.897) 23(0.75,-3.897) 24(1.25,-3.897) 25(1.75,-3.897) 26(2.25,-3.897) 27(2.75,-3.897) 28(3.25,-3.897) 43(3.25,3.897) 44(2.75,3.897) 45(2.25,3.897) 46(1.75,3.897) 47(1.25,3.897) 48(0.75,3.897) 49(0.25,3.897) 50(-0.25,3.897) 51(-0.75,3.897) 52(-1.25,3.897) 53(-1.75,3.897) 54(-2.25,3.897) 55(-2.75,3.897) 56(-3.25,3.897)
  rect 5.944x5.944 smd: 57(0,0)
VSON-10-1EP_3x3mm
  round 0.28 smd: 1(-1,-1.19) 2(-0.5,-1.19) 3(0,-1.19) 4(0.5,-1.19) 5(1,-1.19) 6(1,1.19) 7(0.5,1.19) 8(0,1.19) 9(-0.5,1.19) 10(-1,1.19)
  rect 0.28x0.71 smd: 1(-1,-1.54) 2(-0.5,-1.54) 3(0,-1.54) 4(0.5,-1.54) 5(1,-1.54) 6(1,1.54) 7(0.5,1.54) 8(0,1.54) 9(-0.5,1.54) 10(-1,1.54)
  rect 0.7x0.28 smd: 11(-1.55,0.25) 11(-1.55,-0.25) 11(1.55,0.25) 11(1.55,-0.25)
  round 0.3 hole 0.3: 11(-0.75,0.5) 11(-0.75,-0.5) 11(0,0) 11(0.75,0.5) 11(0.75,-0.5)
  rect 2.4x1.65 smd: 11(0,0)
WSON10_DPR_TEX
  rect 0.813x0.305 smd: 1(-1.943,1.6) 2(-1.943,0.8) 3(-1.943,0) 4(-1.943,-0.8) 5(-1.943,-1.6) 6(1.943,-1.6) 7(1.943,-0.8) 8(1.943,0) 9(1.943,0.8) 10(1.943,1.6)
  rect 2.692x3.099 smd: 11(0,0)
XFL4012
  rect 0.98x3.4 smd: 1(-1.185,0) 2(1.185,0)
XTAL_ABM8-24.000MHZ-B2-T
  rect 1.05x1.3 smd: 1(-0.875,1.15) 2(-0.875,-1.15) 3(0.875,-1.15) 4(0.875,1.15)
XTAL_ABM8G-12.000MHZ-18-D2Y-T
  rect 1.2x1.4 smd: 1(-0.85,1.1) 2(-0.85,-1.1) 3(0.85,-1.1) 4(0.85,1.1)
XTAL_ABM8G-27.000MHZ-18-D2Y-T
  rect 1.2x1.4 smd: 1(-0.85,1.1) 2(-0.85,-1.1) 3(0.85,-1.1) 4(0.85,1.1)

## Nets
3V3_PG: MOSFET6.1 R91.2 R94.1 U5.8
/Ethernet/AVDDH: C116.1 C117.1 C118.1 FB1.1 U11.1 U11.12
/Ethernet/AVDDL: C119.1 C120.1 C121.1 C122.1 FB2.1 U11.4 U11.9
/Ethernet/AVDDL_PLL: C123.1 C124.1 C125.1 FB3.1 U11.44
/Power Supply/1V2_PG: MOSFET2.1 R108.2 U8.8
/Power Supply/1V8_PG: MOSFET1.1 R7.2 U2.8
/Power Supply/5V0_PG: C52.1 R13.2 TP1.1 U4.2 U6.10
/Power Supply/12V_INPUT: D1.2 J1.1
/usb/VBUS_USB: C158.1 J5.1 R95.1
GND: C1.2 C2.2 C3.2 C4.2 C5.2 C6.2 C7.2 C8.2 C9.2 C10.2 C11.2 C12.2 C13.2 C14.2 C15.2 C16.2 C17.2 C18.2 C19.2 C20.2 C21.2 C22.2 C23.2 C24.2 C25.2 C26.2 C27.2 C28.2 C29.2 C30.2 C31.2 C34.2 C35.2 C36.2 C38.2 C39.2 C40.2 C41.2 C42.2 C43.2 C44.2 C45.2 C46.2 C48.2 C49.2 C50.2 C51.2 C52.2 C53.2 C55.2 C56.2 C58.2 C59.2 C60.1 C61.2 C62.2 C63.2 C64.2 C65.2 C66.2 C67.2 C68.2 C69.2 C70.2 C72.1 C73.1 C74.1 C75.1 C76.1 C77.1 C78.1 C79.1 C80.1 C81.1 C82.1 C83.1 C84.1 C85.1 C86.1 C87.1 C88.1 C89.1 C90.1 C91.1 C92.2 C93.1 C94.1 C95.1 C96.1 C97.1 C98.1 C99.1 C102.2 C103.1 C104.1 C105.1 C106.1 C107.1 C108.1 C109.1 C110.2 C111.2 C112.2 C113.2 C114.2 C115.2 C116.2 C117.2 C118.2 C119.2 C120.2 C121.2 C122.2 C123.2 C124.2 C125.2 C126.2 C127.2 C128.2 C129.2 C130.2 C131.2 C132.2 C133.2 C134.2 C135.2 C136.2 C137.2 C138.2 C139.2 C140.2 C141.2 C142.2 C143.2 C144.2 C145.2 C146.2 C147.2 C148.2 C149.2 C150.2 C151.2 C152.2 C153.2 C154.2 C155.2 C156.2 C157.2 C158.2 C159.2 C160.2 C161.2 C162.2 C163.2 C164.2 C165.2 C166.2 C167.2 C168.2 C169.2 C170.2 C171.2 C172.2 C173.2 C174.2 C175.2 C176.2 C177.1 C178.1 C179.1 C180.1 C181.1 C182.1 C183.1 C184.1 C185.1 C186.1 C187.1 C188.1 C189.1 C190.1 C191.2 C192.2 C193.1 CR1.2 CR1.3 IC1.10 IC2.3 J1.2 J1.3 J2.A4 J2.A12 J2.A15 J2.A18 J2.B4 J2.B7 J2.B13 J2.B16 J2.B18 J3.S1 J3.S2 J4.S1 J4.S2 J4.S3 J4.S4 J4.S5 J4.S6 J5.4 J5.S1 J5.S2 J6.2 J6.3 J6.5 J7.2 J7.5 J7.8 J7.11 J7.17 J7.S1 J7.S2 J7.S3 J7.S4 J8.02 J10.1 J10.2 J10.3 MOSFET1.2 MOSFET2.2 MOSFET3.2 MOSFET4.2 MOSFET5.2 MOSFET6.2 NOREF.1 NOREF#2.1 NOREF#3.1 R2.2 R4.2 R6.2 R9.2 R12.2 R18.2 R20.2 R22.2 R26.1 R54.2 R64.2 R90.1 R96.1 REF**.1 U1.A2 U1.A3 U1.A5 U1.A7 U1.A9 U1.A11 U1.A12 U1.A22 U1.AA2 U1.AA12 U1.AA22 U1.AB9 U1.AB19 U1.B3 U1.B12 U1.B19 U1.C3 U1.C6 U1.C10 U1.C12 U1.C16 U1.D3 U1.D4 U1.D8 U1.D12 U1.D13 U1.E4 U1.E5 U1.E7 U1.E9 U1.E11 U1.E20 U1.F5 U1.F11 U1.F17 U1.G5 U1.G6 U1.G7 U1.G8 U1.G9 U1.G10 U1.G12 U1.G14 U1.H1 U1.H7 U1.H9 U1.H11 U1.H21 U1.J8 U1.J10 U1.J12 U1.J18 U1.K5 U1.K7 U1.K9 U1.K11 U1.K15 U1.L2 U1.L8 U1.L9 U1.L10 U1.L22 U1.M7 U1.M9 U1.M10 U1.M11 U1.M19 U1.N6 U1.N8 U1.N9 U1.N10 U1.N16 U1.P3 U1.P7 U1.P9 U1.P11 U1.P13 U1.R8 U1.R10 U1.R12 U1.R20 U1.T7 U1.T9 U1.T11 U1.T17 U1.U4 U1.U14 U1.V1 U1.V11 U1.V21 U1.W8 U1.W18 U1.Y5 U1.Y15 U2.3 U2.5 U3.3 U3.5 U4.3 U4.4 U5.3 U5.5 U6.8 U6.11 U7.3 U7.5 U8.3 U8.5 U9.A9 U9.B1 U9.B3 U9.B9 U9.D1 U9.D8 U9.E1 U9.E2 U9.E8 U9.F9 U9.G1 U9.G8 U9.G9 U9.J2 U9.J8 U9.M1 U9.M9 U9.P1 U9.P9 U9.T1 U9.T9 U10.4 U10.8 U11.29 U11.49 U11.50 U11.51 U11.52 U11.53 U12.10 U12.21 U12.41 U12.45 U12.57 U13.1 U13.2 U13.31 U13.33 U14.5 U14.10 U15.3 U15.8 U16.3 U16.8 Y1.2 Y1.4 Y2.2 Y2.4 Y3.2 Y3.4 Y4.2
VCC1V0: C1.1 C2.1 C3.1 C4.1 C5.1 C6.1 C7.1 C8.1 C9.1 C10.1 C11.1 C12.1 C13.1 C14.1 C15.1 C16.1 C17.1 C18.1 C33.1 C35.1 C140.1 C141.1 C142.1 L2.2 R3.1 U1.D6 U1.D10 U1.E8 U1.F7 U1.F9 U1.H8 U1.H10 U1.J7 U1.J9 U1.J11 U1.K8 U1.L7 U1.L11 U1.M8 U1.N7 U1.N11 U1.P8 U1.P10 U1.R7 U1.R9 U1.T8 U1.T10
VCC1V0_EN: R15.1 U3.1 U4.8
